# Allegro board RK_EVB1_RK3576_LP4XD200P132SD6_V12_20240530YWQ.brd (continued)
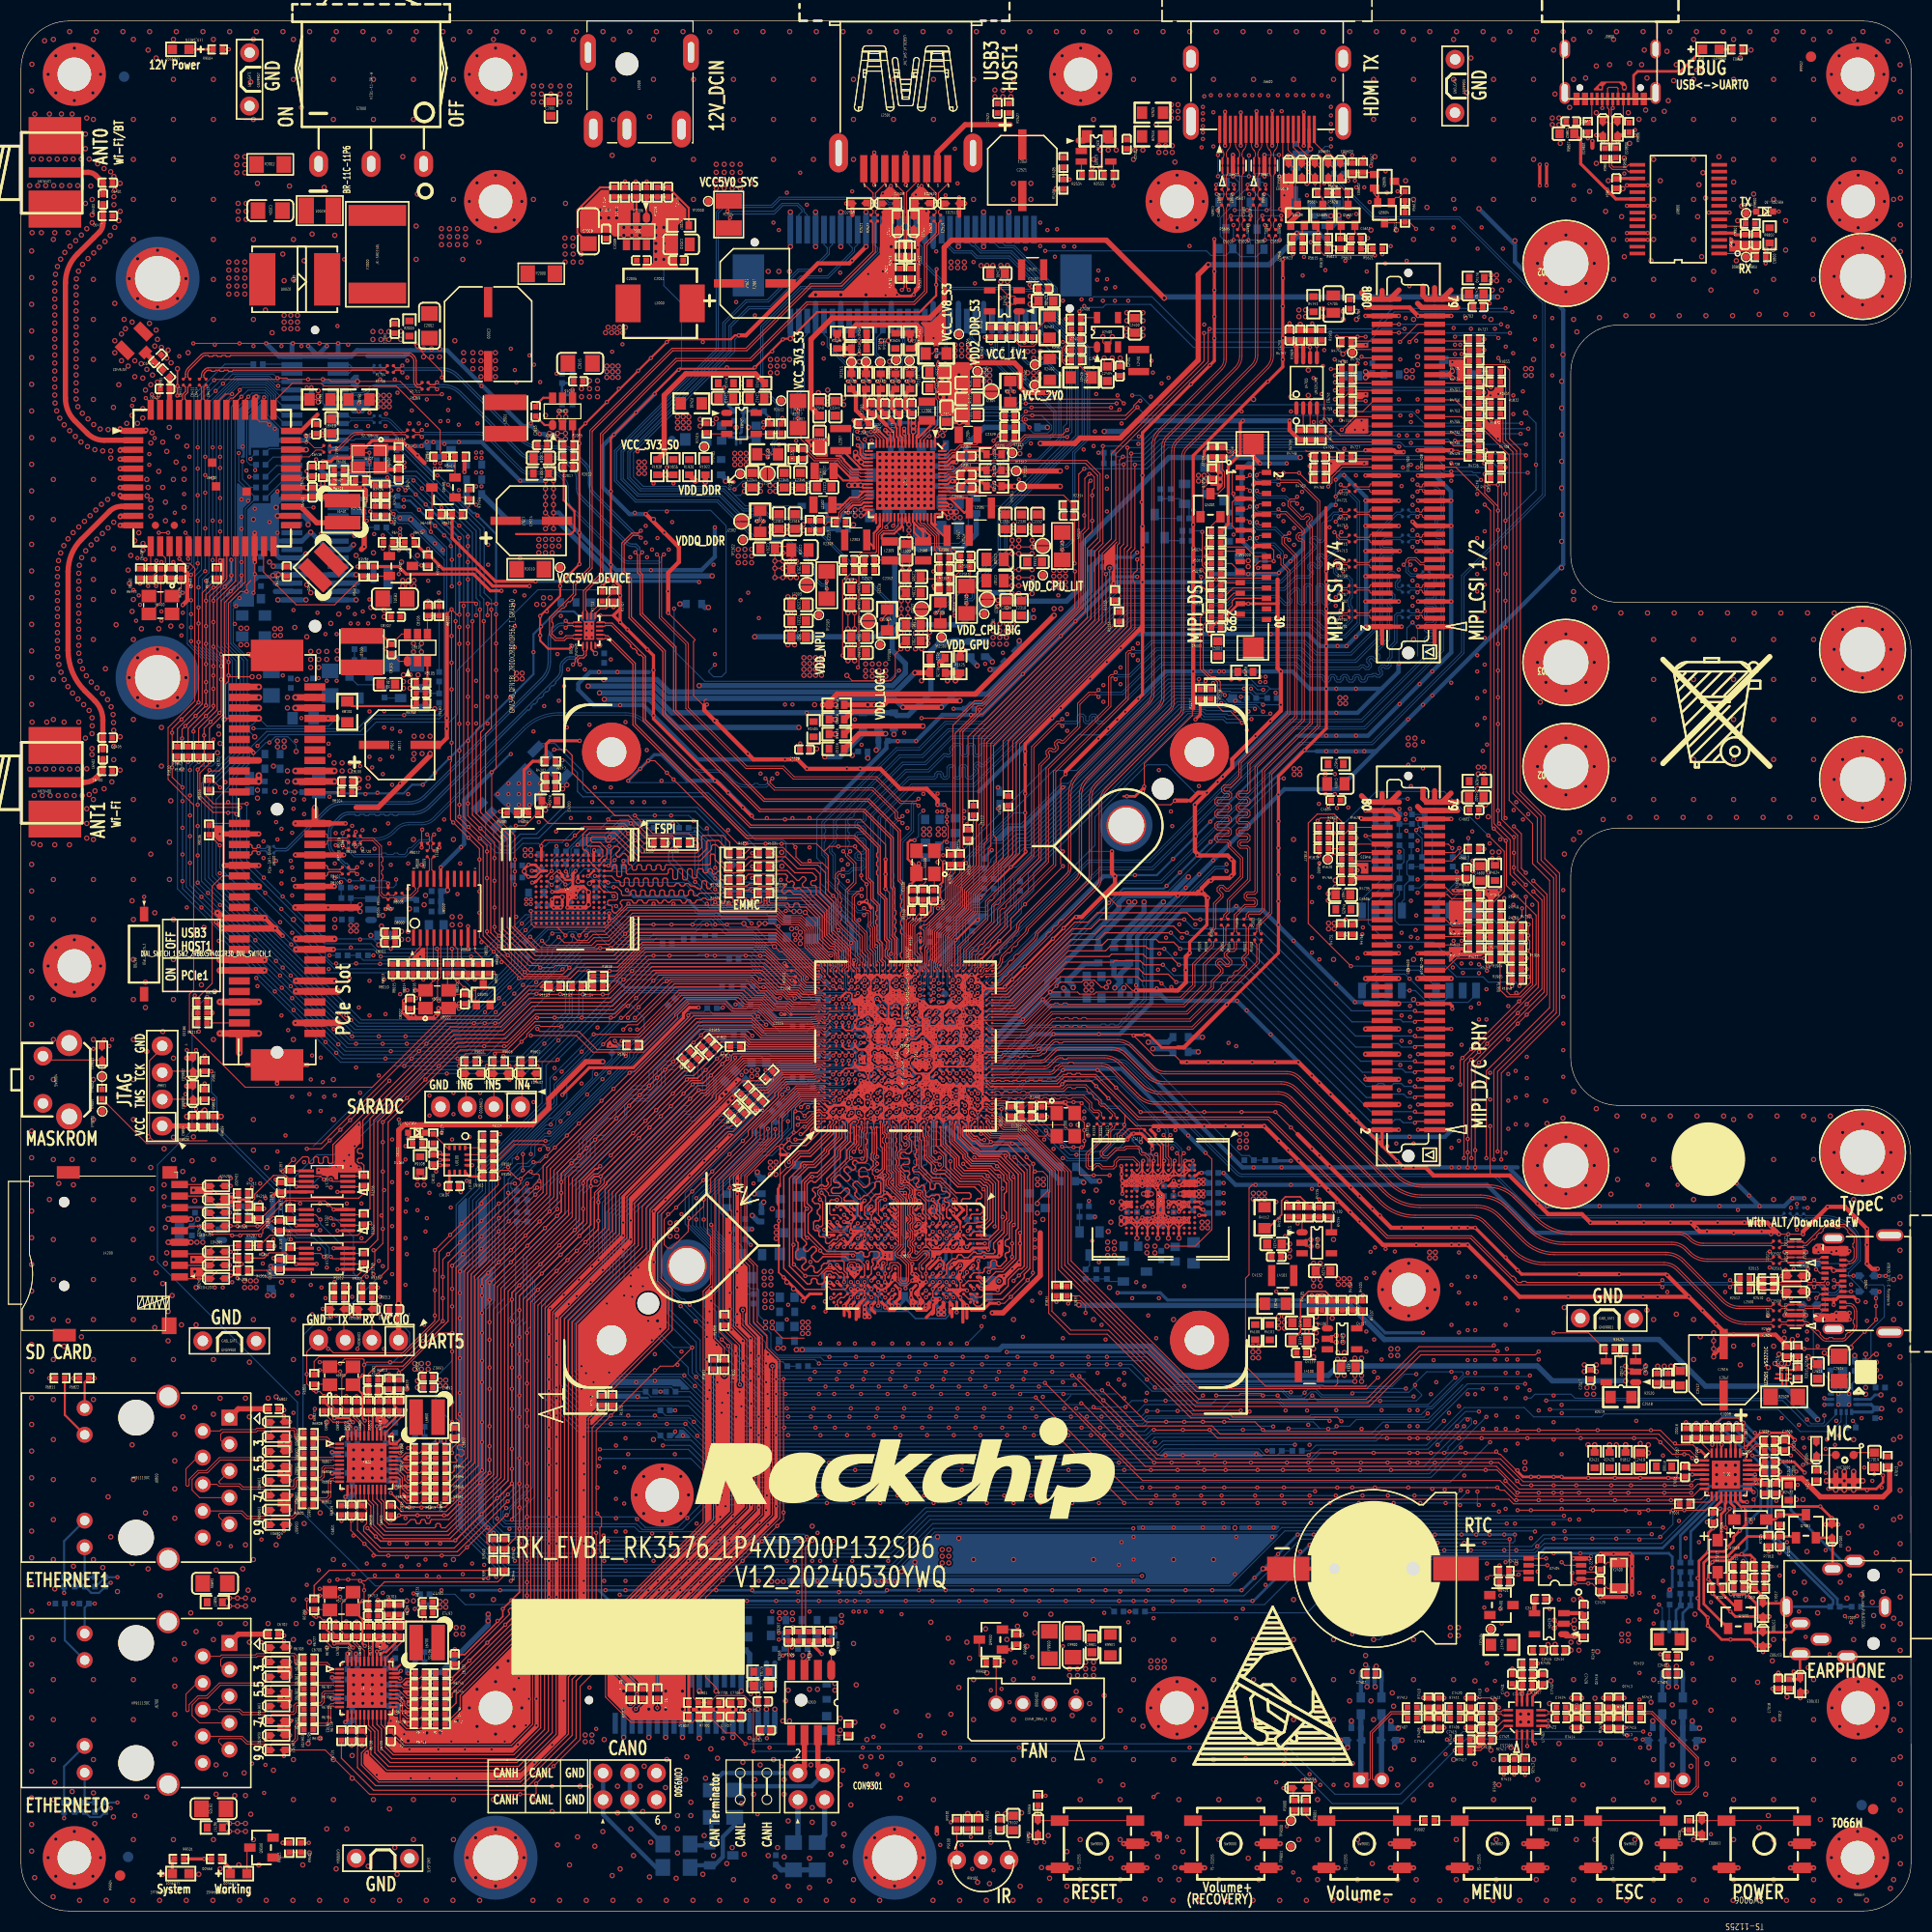
[diagram p0: board, top side]
## Routing (per net, layer and track width the routed paths; a pad name or vN(x,y) marks a point on that pad's centre or on a via; arc(x,y) is an arc through that point) (continued)
PCIE1_TXN: length 40
  TOP w0.117: U1700.11 52.63,122.34 52.54,122.43 52.1,122.43 v1(51.88,122.21)
  BOTTOM w0.117: C8108.1 24.26,100.97 25.2,100.97 arc(25.33,100.99) 25.44,101.07 29.19,104.81 arc(29.86,105.26) 30.65,105.42 36.92,105.42 arc(37.8,105.59) 38.55,106.09 49.72,117.27 arc(50.25,118.05) 50.43,118.97 50.43,121.18 arc(50.51,121.57) 50.73,121.9 51.1,122.28 arc(51.27,122.39) 51.48,122.43 51.66,122.43 v1(51.88,122.21)
PCIE1_TXN/USB3_HOST1_SSTXN: length 51.1
  TOP w0.117: U1700.4 55.57,122.34 55.65,122.43 56.22,122.43 58.06,120.59 58.06,120.42 58.28,120.21 58.44,120.21 58.66,119.99 58.66,119.83 58.87,119.61 59.04,119.61 59.25,119.4 59.25,113.37 69.43,103.2 79.69,103.2 81.61,101.28 81.61,100.83 81.49,100.72 81.49,100.41 81.61,100.29 81.61,99.99 81.49,99.87 81.49,99.57 81.61,99.45 81.61,99.15 81.49,99.03 81.49,98.72 81.61,98.61 81.61,96.94 82.24,96.31 82.24,92.5 82.45,92.29 82.45,91.68 82.29,91.53 82.29,90.92 82.64,90.57 82.64,90.12 U1000.N29
PCIE1_TXP: length 40
  TOP w0.117: v1(51.88,122.87) 52.1,122.66 52.54,122.66 52.63,122.74 U1700.10
  BOTTOM w0.117: v1(51.88,122.87) 51.66,122.66 51.48,122.66 arc(51.19,122.6) 50.95,122.44 50.57,122.06 arc(50.3,121.66) 50.21,121.18 50.21,118.97 arc(50.04,118.13) 49.57,117.42 38.39,106.25 arc(37.71,105.8) 36.92,105.64 30.65,105.64 arc(29.77,105.47) 29.03,104.97 25.29,101.22 arc(25.25,101.2) 25.2,101.19 24.26,101.19 C8107.1
PCIE1_TXP/USB3_HOST1_SSTXP: length 51.6
  TOP w0.102: 82.87,90.66 82.87,89.79 U1000.N28
  TOP w0.117: U1700.5 55.57,122.74 55.65,122.66 56.31,122.66 59.48,119.49 59.48,113.46 69.52,103.42 79.78,103.42 81.83,101.37 81.83,97.03 82.46,96.4 82.46,92.59 82.67,92.38 82.67,91.59 82.52,91.44 82.52,91.01 82.87,90.66
PCIE1_WAKEN_M0: length 143.9
  TOP w0.102: v1(18.96,107.01) 18.27,107.7 R8103.1
  L4-SIG w0.102: v1(18.96,107.01) 18.96,103.96 20.36,102.56 20.36,81.1 56.25,45.2 56.25,29.42 v1(55.64,28.8)
  BOTTOM w0.102: v1(55.64,28.8) 55.74,28.9 103.73,28.9 R1142.2
PCIE_CLKIC_0_REFCLKN: length 8.6
  TOP w0.089: R8007.2 35.51,96.5 35.15,96.5 R8005.2 34.78,96.51 34.48,96.51 34.11,96.88 34.11,101.32 33.47,101.97 32.51,101.97 R1720.2
PCIE_CLKIC_0_REFCLKP: length 8.9
  TOP w0.089: R1719.2 32.51,102.19 33.56,102.19 34.33,101.42 34.33,100.43 34.47,100.29 34.47,100.01 34.33,99.88 34.33,99.6 34.47,99.46 34.47,99.18 34.33,99.05 34.33,98.77 34.47,98.64 34.47,98.36 34.33,98.22 34.33,96.97 34.57,96.73 34.79,96.73 R8004.2 35.15,96.73 35.51,96.73 R8006.2
PCIE_CLKIC_1_REFCLKN: length 13.8
  TOP w0.089: v1(39.34,102.52) 39.12,102.31 39.12,101.84 R8011.1 39.11,101.49 39.11,101.18 39.32,100.97 R8009.2 ; v1(30.63,101.5) 30.92,101.21 31.2,101.21 R8120.1
  BOTTOM w0.089: v1(39.34,102.52) 39.12,102.31 39.12,102.09 38.83,101.8 38.01,101.8 36.62,100.4 31.73,100.4 31.06,101.07 31.06,101.85 30.94,101.97 30.72,101.97 30.63,101.88 v1(30.63,101.5)
PCIE_CLKIC_1_REFCLKP: length 13.8
  TOP w0.089: R8119.1 30.92,102.95 v1(30.63,102.66) ; R8008.2 38.89,101.18 38.89,101.49 R8012.1 38.9,101.86 38.9,102.31 v1(38.68,102.52)
  BOTTOM w0.089: v1(30.63,102.66) 30.63,102.28 30.72,102.19 31.03,102.19 31.28,101.94 31.28,101.16 31.82,100.62 34.31,100.62 34.44,100.76 34.72,100.76 34.86,100.62 35.45,100.62 35.59,100.76 35.87,100.76 36,100.62 36.52,100.62 36.77,100.87 36.77,101.06 36.97,101.26 37.16,101.26 37.92,102.02 38.74,102.02 38.9,102.18 38.9,102.31 v1(38.68,102.52)
PCIE_COMBOPHY_AVDD0V85: length 35.6
  TOP w0.229: U1000.2F11 83.34,85.54 v2(83.27,85.54) 83.19,85.54 U1000.2E11
  TOP w0.508: v2(81.28,114.88) v2(80.65,114.88) R1700.1
  L4-SIG w0.229: 82.54,89.33 82.54,86.23 83.23,85.54 v2(83.27,85.54)
  L4-SIG w0.508: 82.54,89.33 82,89.86 82,90.44 80.89,91.55 80.89,92.27 80.94,92.32 80.94,93.54 81.19,93.8 81.19,99.39 80.94,99.64 80.94,100.91 80.65,101.2 v2(80.65,109.8) v2(80.65,114.88)
  BOTTOM w0.305: v2(83.27,85.54) 82.82,85.54 C1700.1
  BOTTOM w0.508: v2(80.65,109.8) 80.63,109.82 C1702.1
PCIE_COMBOPHY_AVDD1V8: length 30.4
  TOP w0.229: U1000.2F12 83.35,86.18 v1(83.32,86.18) 83.18,86.18 U1000.2E12
  L4-SIG w0.203: v2(81.45,110.56) 81.45,101.89 82.79,100.54 82.79,92 83.41,91.38 83.41,89.56 82.95,89.1 82.95,86.48 83.24,86.19 83.3,86.19 v1(83.32,86.18)
  BOTTOM w0.305: 82.95,86.55 v1(83.32,86.18) 83.58,86.44 C1701.1 83.53,86.63 C1703.1 82.95,86.55
  BOTTOM w0.508: R1701.1 C1704.1 81.66,110.78 v2(81.45,110.56)
PCIE_CON_REFCLKN: length 3.6
  BOTTOM w0.089: R6502.2 33.43,141.96 31.44,141.96 31.15,141.67 30.21,141.67 CON6500.44
PCIE_CON_REFCLKP: length 3.6
  BOTTOM w0.089: CON6500.46 30.21,142.47 31.12,142.47 31.41,142.18 33.43,142.18 R6501.2
PCIE_CON_TXN: length 3.6
  BOTTOM w0.117: CON6500.56 31.25,146.47 31.54,146.76 33.43,146.76 C6501.2
PCIE_CON_TXP: length 3.6
  BOTTOM w0.117: C6500.2 33.43,146.98 31.56,146.98 31.27,147.27 30.21,147.27 CON6500.58
PCIE_SLOT_CLKREQN_3V3_C: length 2.9
  TOP w0.102: R8106.2 18.09,103.58 U8100.B12
PCIE_SLOT_PERSTN_3V3_C: length 2.6
  TOP w0.102: U8100.A11 30.62,106.58 R8104.1
PCIE_SLOT_PRSNT_L_3V3_C: length 16.6
  TOP w0.102: R8111.1 R8110.2 R8108.2 16.82,86.96 18.2,88.34 18.2,97.6 19.18,98.58 U8100.B17
PCIE_SLOT_REFCLKN: length 3.6
  TOP w0.089: R8120.2 R8116.2 31,101.97 30.66,101.97 30.01,101.97 30.01,101.97 29.25,101.97 29.16,101.88 29.16,101.67 29.07,101.58 U8100.A14
PCIE_SLOT_REFCLKP: length 3.6
  TOP w0.089: R8119.2 31,102.19 30.66,102.19 29.92,102.19 29.25,102.19 29.16,102.28 29.16,102.49 29.07,102.58 U8100.A13
PCIE_SLOT_RXDN: length 3
  TOP w0.117: U8100.A17 29.09,98.58 29.2,98.69 29.2,98.85 29.32,98.97 30.24,98.97 30.41,98.97 R8109.1
PCIE_SLOT_RXDP: length 3
  TOP w0.117: R8107.1 30.41,99.19 30.34,99.19 29.32,99.19 29.2,99.31 29.2,99.46 29.09,99.58 U8100.A16
PCIE_SLOT_TXDN: length 3.2
  TOP w0.117: U8100.B15 21.89,100.58 22,100.69 22,100.85 22.12,100.97 22.41,100.97 v1(22.63,100.75)
  BOTTOM w0.117: C8108.2 23.3,100.97 22.85,100.97 v1(22.63,100.75)
PCIE_SLOT_TXDP: length 3.2
  TOP w0.117: v1(22.63,101.41) 22.41,101.19 22.12,101.19 22,101.31 22,101.46 21.89,101.58 U8100.B14
  BOTTOM w0.117: C8107.2 23.3,101.19 22.85,101.19 v1(22.63,101.41)
PCIE_SLOT_WAKEN_3V3_C: length 3
  TOP w0.102: U8100.B11 18.14,106.58 R8103.2
PDM1_CLK0_M1: length 35.8
  TOP w0.102: R7706.2 60.6,26.74 71.56,37.7 v1(71.56,51.89)
  BOTTOM w0.102: v1(71.56,51.89) R1809.2
PDM1_CLK0_M1_LOOPBACK: length 98.7
  TOP w0.102: U7402.3 v1(143.45,15.71)
  L4-SIG w0.102: v1(143.45,15.71) 142.77,15.71 139.99,18.49 139.99,35.16 132.63,42.53 v1(132.63,49)
  BOTTOM w0.102: R1807.2 75.12,51.71 105.5,51.71 107.71,49.5 120.06,49.5 120.71,48.85 122.23,48.85 122.83,49.45 123.32,49.45 123.82,48.94 132.57,48.94 v1(132.63,49)
PDM1_CLK1_M1: length 63.3
  TOP w0.089: 75.81,77.76 75.87,77.7 76.91,77.7 U1000.1A5
  TOP w0.102: v1(58.61,27.89) 69.12,38.4 69.12,54.41 67.86,55.68 67.86,69.99 71.48,73.61 71.48,75.1 74.15,77.76 75.81,77.76
  BOTTOM w0.102: v1(58.61,27.89) 60.39,26.12 R7705.1
PDM1_SDI0_M1: length 35.2
  TOP w0.102: R7708.2 56.29,22.91 56.29,27.61 65.95,37.27 R1811.2
PDM1_SDI1_M1: length 62.3
  TOP w0.089: 75.55,77.56 75.75,77.56 75.8,77.51 76.45,77.51 U1000.B6
  TOP w0.102: 75.55,77.56 74.23,77.56 72.19,75.51 72.19,73.74 68.57,70.12 68.57,62.23 69.38,61.41 69.38,55.95 70.61,54.73 70.61,37.75 v1(58.99,26.13)
  BOTTOM w0.102: R7707.1 v1(58.99,26.13)
PDM1_SDI2_M1: length 68.7
  TOP w0.089: U1000.B7 76.37,77.97 76.1,78.24 75.83,78.24 75.76,78.17
  TOP w0.102: R7710.2 56.99,23.35 56.99,27.27 67.71,37.99 67.71,53.95 66.46,55.2 66.46,69.63 70.4,73.57 70.4,74.58 73.98,78.17 75.76,78.17
PDM1_SDI3_M1: length 37.7
  TOP w0.102: v1(68.75,57.22) 68.75,55.79 69.9,54.63 69.9,38.19 v1(57.97,26.26)
  BOTTOM w0.102: v1(57.97,26.26) R7709.1 ; v1(68.75,57.22) R1805.2
PDM1_SDI3_M1_LOOPBACK: length 109.3
  TOP w0.102: R7413.1 v1(143.23,12.96)
  L4-SIG w0.102: v1(143.23,12.96) 138.98,17.22 138.98,34.87 131.9,41.95 v1(131.9,49.76)
  BOTTOM w0.102: R1804.2 69.76,55.95 71.11,54.61 71.11,53.55 71.94,52.72 76.17,52.72 76.48,52.41 107.09,52.41 109.59,49.91 123.68,49.91 123.84,49.76 v1(131.9,49.76)
PHY0_CLKOUT125: length 2.4
  TOP w0.102: R6710.2 33.1,26.17 U6700.35
PHY0_LED0/CFG_EXT: length 5.7
  TOP w0.203: U6700.32 34.3,24.43 34.51,24.65 34.78,24.65 36.03,25.9 R6718.2 36.03,26.18 35.53,26.69 35.53,27.76 R6719.1
PHY0_LED1/CFG_LDO0: length 33.3
  TOP w0.203: v1(33.9,24.71) 33.9,24.71 U6700.33
  L4-SIG w0.203: v1(7.03,29.28) 16.04,29.28 18.58,26.74 31.87,26.74 v1(33.9,24.71)
  BOTTOM w0.203: v1(7.03,29.28) R6722.2 6.06,28.88 J6700.11
PHY0_LED2/CFG_LDO1: length 45.1
  TOP w0.203: U6700.34 33.5,25.58 C6704.1 R6720.2 v1(35.05,25.64)
  L4-SIG w0.203: v1(8.55,9.79) 23.29,9.79 31.34,17.85 33.95,17.85 35.05,18.95 v1(35.05,25.64)
  BOTTOM w0.203: v1(8.55,9.79) 8.38,9.79 R6721.1 7.54,8.95 6.57,8.95 R6714.1 R6715.1
PHY0_MDI0+: length 3.2
  TOP w0.089: R6708.1 28.2,23.67 29.16,23.67 29.38,23.45 29.38,23.06 29.5,22.94 29.75,22.94 29.84,23.03 U6700.1
PHY0_MDI0-: length 3.2
  TOP w0.089: U6700.2 29.84,22.63 29.75,22.72 29.4,22.72 29.15,22.97 29.15,23.36 29.07,23.45 28.2,23.45 R6707.1
PHY0_MDI1+: length 2.7
  TOP w0.089: R6706.1 28.2,21.74 29.75,21.74 29.84,21.83 U6700.4
PHY0_MDI1-: length 2.7
  TOP w0.089: U6700.5 29.84,21.43 29.75,21.52 28.2,21.52 R6705.1
PHY0_MDI2+: length 3.6
  TOP w0.089: R6704.1 28.2,19.81 28.49,19.81 28.65,19.97 28.65,20.72 28.87,20.94 29.75,20.94 29.84,21.03 U6700.6
PHY0_MDI2-: length 3.6
  TOP w0.089: U6700.7 29.84,20.63 29.75,20.72 28.96,20.72 28.87,20.63 28.87,19.88 28.58,19.59 28.2,19.59 R6703.1
PHY0_MDI3+: length 4.3
  TOP w0.089: U6700.9 29.84,19.83 29.75,19.74 29.5,19.74 29.28,19.52 29.28,18.07 29.09,17.88 28.2,17.88 R6701.1
PHY0_MDI3-: length 4.3
  TOP w0.089: R6700.1 28.2,17.66 29.18,17.66 29.5,17.98 29.5,19.43 29.59,19.52 29.75,19.52 29.84,19.43 U6700.10
PHY0_MDI_0+: length 11.3
  TOP w0.089: J6700.2 18.96,24.26 19.08,24.38 22.32,24.38 22.45,24.51 23.11,24.51 23.2,24.51 ED6704.1 23.79,24.62 23.88,24.53 26.05,24.53 26.27,24.31 26.27,23.76 26.36,23.67 26.56,23.67 R6708.2
PHY0_MDI_0-: length 11.2
  TOP w0.089: R6707.2 26.56,23.45 26.27,23.45 26.05,23.67 26.05,24.22 25.96,24.31 23.88,24.31 23.79,24.22 ED6705.1 23.2,24.29 23.11,24.29 22.54,24.29 22.41,24.16 19.24,24.16 19.02,23.94 19.02,23.38 19.42,22.99 J6700.3
PHY0_MDI_1+: length 17.2
  TOP w0.089: R6706.2 26.56,21.74 23.88,21.74 23.79,21.83 ED6706.1 23.2,21.72 18.89,21.72 17.66,20.49 16.84,20.49 16.01,19.66 16.01,19.08 15.92,18.99 15.8,18.99 15.71,19.08 15.71,20.64 16.78,21.72 J6700.4
PHY0_MDI_1-: length 17.2
  TOP w0.089: R6705.2 26.56,21.52 23.88,21.52 23.79,21.43 ED6700.1 23.2,21.49 18.98,21.49 17.75,20.26 16.93,20.26 16.3,19.63 16.3,18.61 17,17.91 J6700.7
PHY0_MDI_2+: length 11.4
  TOP w0.089: R6704.2 26.56,19.81 26.2,19.81 25.98,19.59 25.98,19.04 25.89,18.95 23.88,18.95 23.79,19.04 ED6701.1 23.2,18.92 21.13,18.92 20.83,19.22 18.98,19.22 18.86,19.33 18.86,19.46 J6700.5
PHY0_MDI_2-: length 11.5
  TOP w0.089: J6700.6 18.65,19.18 18.84,18.99 20.74,18.99 21.04,18.7 23.2,18.7 ED6702.1 23.79,18.63 23.88,18.72 25.98,18.72 26.2,18.94 26.2,19.5 26.29,19.59 26.56,19.59 R6703.2
PHY0_MDI_3+: length 12.2
  TOP w0.089: R6701.2 26.56,17.88 26.36,17.88 26.11,17.63 26.11,16.42 25.84,16.15 23.88,16.15 23.79,16.24 ED6703.1 23.2,16.13 21.58,16.13 21.07,16.64 J6700.8
PHY0_MDI_3-: length 12.3
  TOP w0.089: R6700.2 26.56,17.66 26.45,17.66 26.33,17.54 26.33,16.33 25.93,15.93 23.88,15.93 23.79,15.84 ED6707.1 23.2,15.9 21.48,15.9 20.97,16.41 18.93,16.41 18.84,16.32 18.84,16.07 19.54,15.37 J6700.9
PHY0_REG_OUT: length 3.2
  TOP w0.203: U6700.30 35.25,23.03 35.09,23.19 35.09,23.82 35.35,24.07 ; U6700.30 35.7,23.03 36.11,23.44 ; U6700.30 35.45,23.95
PHY0_RSTN: length 2.5
  TOP w0.114: R6739.2 C6721.1 U6700.12
PHY0_RXCLK/PHYAD1: length 4.4
  TOP w0.114: R6744.1 R6735.2 37.96,22.15 36.63,22.15 36.27,21.79 35.49,21.79 U6700.27
PHY0_RXD0/RXDLY: length 5.1
  TOP w0.114: R6740.1 v1(38.95,20.7) R6725.2 38.01,20.26 36.74,20.26 35.98,21.03 U6700.25
  BOTTOM w0.114: R6725.2 v1(38.95,20.7)
PHY0_RXD1/TXDLY: length 5.5
  TOP w0.114: R6741.1 v1(38.95,19.73) R6728.2 38.01,19.3 36.82,19.3 36.54,19.58 36.54,19.96 35.87,20.63 U6700.24
  BOTTOM w0.114: R6728.2 v1(38.95,19.73)
PHY0_RXD2/PLLOFF: length 6.1
  TOP w0.114: U6700.23 35.89,20.23 36.32,19.8 36.32,18.78 36.77,18.33 38.01,18.33 R6723.2 v1(38.95,18.77) R6742.1
  BOTTOM w0.114: R6723.2 v1(38.95,18.77)
PHY0_RXD3/PHYAD0: length 6.7
  TOP w0.114: R6743.1 v1(38.95,17.8) R6732.2 38.01,17.37 36.72,17.37 36.11,17.98 36.11,19.63 35.91,19.83 U6700.22
  BOTTOM w0.114: R6732.2 v1(38.95,17.8)
PHY0_RXDV/PHYAD2: length 4.3
  TOP w0.114: R6745.1 R6736.2 38.01,21.23 36.41,21.23 36.21,21.43 U6700.26
PHY0_XTALIN: length 8.5
  TOP w0.102: U6700.36 32.7,24.8 31.96,25.53 C6701.1 30.99,26.16 R6702.1 30.55,26.6 30.55,29.3 Y6700.3
PHY0_XTALOUT: length 8.2
  TOP w0.102: R6709.2 29.38,28.71 Y6700.1 29.5,28.58 29.5,26.78 29.99,26.29 C6700.1 30.43,25.73 31.48,25.73 32.3,24.91 U6700.37
PHY1_CLKOUT125: length 2.4
  TOP w0.102: R6810.2 33.1,47.63 U6800.35
PHY1_LED0/CFG_EXT: length 5.7
  TOP w0.203: U6800.32 34.3,45.9 34.51,46.12 34.78,46.12 36.03,47.37 R6818.2 36.03,47.65 35.53,48.15 35.53,49.22 R6819.1
PHY1_LED1/CFG_LDO0: length 33.3
  TOP w0.203: v1(7.03,50.74) R6822.2 6.06,50.35 J6800.11 ; U6800.33 33.9,46.17 v1(33.9,46.17)
  L4-SIG w0.203: v1(7.03,50.74) 15.15,50.74 17.57,48.33 31.74,48.33 v1(33.9,46.17)
PHY1_LED2/CFG_LDO1: length 45.2
  TOP w0.203: v1(35.05,47.11) R6820.2 C6804.1 33.5,47.05 U6800.34
  L4-SIG w0.203: v1(8.55,31.26) 23.29,31.26 31.34,39.31 33.95,39.31 35.05,40.41 v1(35.05,47.11)
  BOTTOM w0.203: R6815.1 R6814.1 6.69,30.3 7.42,30.3 R6821.1 8.38,31.26 v1(8.55,31.26)
PHY1_MDI0+: length 3.2
  TOP w0.089: R6808.1 28.2,45.13 29.16,45.13 29.38,44.91 29.38,44.52 29.5,44.4 29.75,44.4 29.84,44.49 U6800.1
PHY1_MDI0-: length 3.2
  TOP w0.089: R6807.1 28.2,44.91 29.07,44.91 29.15,44.82 29.15,44.43 29.4,44.18 29.75,44.18 29.84,44.09 U6800.2
PHY1_MDI1+: length 2.7
  TOP w0.089: R6806.1 28.2,43.2 29.75,43.2 29.84,43.29 U6800.4
PHY1_MDI1-: length 2.7
  TOP w0.089: R6805.1 28.2,42.98 29.75,42.98 29.84,42.89 U6800.5
PHY1_MDI2+: length 3.6
  TOP w0.089: R6804.1 28.2,41.27 28.49,41.27 28.65,41.43 28.65,42.18 28.87,42.4 29.75,42.4 29.84,42.49 U6800.6
PHY1_MDI2-: length 3.6
  TOP w0.089: R6802.1 28.2,41.05 28.58,41.05 28.87,41.34 28.87,42.09 28.96,42.18 29.75,42.18 29.84,42.09 U6800.7
PHY1_MDI3+: length 4.3
  TOP w0.089: U6800.9 29.84,41.29 29.75,41.2 29.5,41.2 29.28,40.98 29.28,39.53 29.09,39.34 28.2,39.34 R6803.1
PHY1_MDI3-: length 4.3
  TOP w0.089: U6800.10 29.84,40.89 29.75,40.98 29.59,40.98 29.5,40.89 29.5,39.44 29.18,39.12 28.2,39.12 R6800.1
PHY1_MDI_0+: length 11.3
  TOP w0.089: R6808.2 26.56,45.13 26.36,45.13 26.27,45.22 26.27,45.78 26.05,46 23.88,46 23.79,46.09 ED6800.1 23.2,45.97 23.11,45.97 22.45,45.97 22.32,45.85 19.08,45.85 18.96,45.72 J6800.2
PHY1_MDI_0-: length 11.2
  TOP w0.089: J6800.3 19.42,44.45 19.02,44.84 19.02,45.41 19.24,45.62 22.41,45.62 22.54,45.75 23.11,45.75 23.2,45.75 ED6801.1 23.79,45.69 23.88,45.77 25.96,45.77 26.05,45.69 26.05,45.13 26.27,44.91 26.56,44.91 R6807.2
PHY1_MDI_1+: length 17.2
  TOP w0.089: R6806.2 26.56,43.2 23.88,43.2 23.79,43.29 ED6802.1 23.2,43.18 18.89,43.18 17.66,41.95 16.84,41.95 16.01,41.12 16.01,40.55 15.92,40.46 15.8,40.46 15.71,40.55 15.71,42.11 16.78,43.18 J6800.4
PHY1_MDI_1-: length 17.2
  TOP w0.089: R6805.2 26.56,42.98 23.88,42.98 23.79,42.89 ED6803.1 23.2,42.95 18.98,42.95 17.75,41.73 16.93,41.73 16.3,41.09 16.3,40.08 17,39.37 J6800.7
PHY1_MDI_2+: length 11.4
  TOP w0.089: R6804.2 26.56,41.27 26.2,41.27 25.98,41.05 25.98,40.5 25.89,40.41 23.88,40.41 23.79,40.5 ED6804.1 23.2,40.38 21.13,40.38 20.83,40.68 18.98,40.68 18.86,40.8 18.86,40.92 J6800.5
PHY1_MDI_2-: length 11.5
  TOP w0.089: J6800.6 18.65,40.64 18.84,40.46 20.74,40.46 21.04,40.16 23.2,40.16 ED6806.1 23.79,40.1 23.88,40.19 25.98,40.19 26.2,40.41 26.2,40.96 26.29,41.05 26.56,41.05 R6802.2
PHY1_MDI_3+: length 12.2
  TOP w0.089: J6800.8 21.07,38.1 21.58,37.59 23.2,37.59 ED6807.1 23.79,37.7 23.88,37.62 25.84,37.62 26.11,37.88 26.11,39.09 26.36,39.34 26.56,39.34 R6803.2
PHY1_MDI_3-: length 12.3
  TOP w0.089: R6800.2 26.56,39.12 26.45,39.12 26.33,39 26.33,37.79 25.93,37.39 23.88,37.39 23.79,37.3 ED6805.1 23.2,37.37 21.48,37.37 20.97,37.88 18.93,37.88 18.84,37.79 18.84,37.54 19.54,36.83 J6800.9
PHY1_REG_OUT: length 3.2
  TOP w0.203: 35.35,45.54 35.09,45.28 35.09,44.65 35.25,44.49 U6800.30 ; 35.45,45.41 U6800.30 ; U6800.30 35.7,44.49 36.11,44.9
PHY1_RSTN: length 2.5
  TOP w0.114: U6800.12 C6821.1 R6839.2
PHY1_RXCLK/PHYAD1: length 4.4
  TOP w0.114: U6800.27 35.69,43.29 35.73,43.25 36.27,43.25 36.63,43.62 37.96,43.62 R6835.2 R6844.1
PHY1_RXD0/RXDLY: length 5.1
  TOP w0.114: R6840.1 v1(38.95,42.16) R6825.2 38.01,41.73 36.74,41.73 35.98,42.49 U6800.25
  BOTTOM w0.114: R6825.2 v1(38.95,42.16)
PHY1_RXD1/TXDLY: length 5.5
  TOP w0.114: U6800.24 35.87,42.09 36.54,41.43 36.54,41.05 36.82,40.76 38.01,40.76 R6828.2 v1(38.95,41.2) R6841.1
  BOTTOM w0.114: R6828.2 v1(38.95,41.2)
PHY1_RXD2/PLLOFF: length 6.1
  TOP w0.114: U6800.23 35.89,41.69 36.32,41.26 36.32,40.24 36.77,39.8 38.01,39.8 R6823.2 v1(38.95,40.23) R6842.1
  BOTTOM w0.114: R6823.2 v1(38.95,40.23)
PHY1_RXD3/PHYAD0: length 6.7
  TOP w0.114: U6800.22 35.91,41.29 36.11,41.09 36.11,39.44 36.72,38.83 38.01,38.83 R6832.2 v1(38.95,39.27) R6843.1
  BOTTOM w0.114: R6832.2 v1(38.95,39.27)
PHY1_RXDV/PHYAD2: length 4.3
  TOP w0.114: R6845.1 R6836.2 38.01,42.69 36.41,42.69 36.21,42.89 U6800.26
PHY1_XTALIN: length 8.5
  TOP w0.102: Y6800.3 30.55,50.76 30.55,48.06 R6801.1 30.99,47.62 C6801.1 31.96,46.99 32.7,46.26 U6800.36
PHY1_XTALOUT: length 8.2
  TOP w0.102: R6809.2 29.38,50.17 Y6800.1 29.5,50.04 29.5,48.25 29.99,47.76 C6800.1 30.43,47.19 31.48,47.19 32.3,46.37 U6800.37
PLL_AVDD1V8: length 28.4
  TOP w0.229: v1(85.13,86.26) 85.13,86.18 U1000.2H12
  L4-SIG w0.102: 84.73,90.08 84.73,89.71
  L4-SIG w0.203: 84.73,89.71 84.73,86.7 85.13,86.3 v1(85.13,86.26) ; 84.65,91.87 84.62,91.84 84.62,90.19 84.73,90.08
  L4-SIG w0.508: 84.65,91.87 83.98,92.54 83.98,101.93 82.95,102.97 82.95,111.87 v2(83.13,112.05)
  BOTTOM w0.305: C1105.1 85.15,86.83 85.15,86.27 v1(85.13,86.26)
  BOTTOM w0.508: v2(83.13,112.05) R1136.2
PLL_DVDD0V75: length 33.1
  TOP w0.229: U1000.2G11 v1(84.57,85.62)
  TOP w0.508: v2(82.34,112.12) 79.84,112.12 R1132.2
  L4-SIG w0.203: 84.02,89.77 84.43,89.37 84.43,86.74 84.11,86.43 84.11,86.07 v1(84.57,85.62)
  L4-SIG w0.508: v2(82.34,112.12) 82.34,102.56 83.37,101.52 83.37,92.28 84.02,91.64 84.02,89.77
  BOTTOM w0.305: v1(84.57,85.62) 84.3,85.62 C1104.1
PMIC_EXT_EN_OUT: length 37
  TOP w0.102: v1(82.41,131.79) 82.4,131.79 82.4,131.94 82.84,132.38 U2300.39 ; R2406.1 v1(96.31,149.38) ; R2405.1 v1(99.52,147.7)
  BOTTOM w0.102: v1(82.41,131.79) 82.68,131.52 83.23,131.52 84.5,130.25 89.32,130.25 90.21,131.14 90.21,133.55 90.46,133.8 93.31,133.8 99.28,139.77 99.28,141.35 99.61,141.68 99.61,147.61 v1(99.52,147.7) 98.92,147.7 97.23,149.38 v1(96.31,149.38)
PMIC_FB5: length 9.1
  TOP w0.102: U2300.47 85.64,132.25 85.74,132.15 86.03,132.15 87.21,130.97 87.21,129.93 87.61,129.54 88.55,129.54 88.81,129.27 88.81,127.3 R2302.2 R2305.1
PMIC_FB6: length 7.1
  TOP w0.102: R2308.2 C2317.2 76.84,132.26 R2310.1 78.09,132.72 78.09,133.1 79.14,134.15 79.89,134.15 80.13,134.4 80.24,134.4 80.33,134.49 U2300.31
PMIC_FB9: length 9.7
  TOP w0.102: U2300.66 88.13,138.34 88.68,138.89 88.99,138.89 89.52,139.43 92.52,139.43 92.99,139.9 94.1,139.9 R2315.1 R2313.2 C2329.2
PMIC_INT_L: length 96.2
  TOP w0.102: U2300.19 80.38,138.69 80.19,138.88 80.19,139.75 v1(79.7,140.24) ; v1(95.69,143.58) v1(104.34,143.58)
  L4-SIG w0.102: v1(113.54,116.95) 112.64,117.85 112.64,122.9 109.86,125.67 109.86,132.61 108.07,134.4 108.07,140.04 104.53,143.58 v1(104.34,143.58)
  BOTTOM w0.102: v1(79.7,140.24) 79.28,140.66 79.28,141.06 81.27,143.04 94.75,143.04 95.29,143.58 v1(95.69,143.58) ; v1(113.54,116.95) 113.24,116.66 109.43,116.66 95.71,102.94 94.66,102.94 93.41,101.7 92.47,101.7 91.27,100.5 91.27,97.8 88.33,94.85 R1116.2
PMIC_PWR_CTRL1: length 52.7
  TOP w0.102: R1112.2 90.7,111.88 101.89,123.07 101.89,129.61 102.77,130.49 102.77,136.86 101.5,138.14 89.91,138.14 88.81,137.04 88.21,137.04 88.12,136.94 U2300.62
PMIC_PWR_CTRL2: length 167.5
  TOP w0.102: R1114.2 90.19,103.39 v1(90.08,103.49) 90.19,103.6 90.19,111.83 101.55,123.2 101.55,129.77 102.53,130.75 102.53,136.72 101.37,137.88 89.94,137.88 88.9,136.83 88.35,136.83 88.11,136.59 U2300.61
  L4-SIG w0.102: v1(83.62,118.14) 86.4,115.35 86.4,108.78 90.21,104.97 90.21,103.62 v1(90.08,103.49) ; v1(67.23,66.38) 66.33,67.28 66.33,68.91 54.7,80.54 54.7,81.53 55.03,81.86 57.95,81.86 59.87,83.78 59.87,106.01 62.2,108.34 v1(62.2,124.03)
  BOTTOM w0.102: v1(62.2,124.03) 62.2,120.03 65.12,117.11 82.59,117.11 v1(83.62,118.14) ; v1(67.23,66.38) Q3801.1
PMIC_SW1: length 5.3
  TOP w0.203: U2300.51 87.04,132.15 87.16,132.02 ; U2300.51 87.47,132.74 87.47,133.06 87.47,133.06 87.19,133.06 87.04,132.92 U2300.51 ; 86.69,132.25 86.69,132.14 87.83,131 L2301.1 ; 86.69,132.25 87.04,131.9 ; 86.69,132.25 U2300.50
PMIC_SW2: length 6.2
  TOP w0.203: L2303.1 81.19,129.93 81.19,129.74 81.22,129.76 81.22,131.23 81.57,131.59 81.57,131.64 81.79,131.86 81.79,132.01 ; 81.79,132.01 81.55,131.77 ; 81.79,132.01 U2300.36 ; 81.1,132.41 U2300.35 ; U2300.35 81.44,132.17 ; U2300.35 81.27,132.91 81.04,132.91
PMIC_SW3: length 6.6
  TOP w0.203: 88.5,134.49 88.5,134.59 89.72,134.59 ; 88.5,134.49 U2300.55 ; 88.5,134.49 89.83,133.17 89.86,133.17 L2305.1 90.32,134.38 90.11,134.59 89.72,134.59 ; 88.5,134.49 88.98,134.49 ; 89.7,134.56 89.72,134.59
PMIC_SW4: length 6.4
  TOP w0.203: L2307.1 78.27,139.08 79.96,137.39 79.96,137.29 ; 79.96,137.29 79.23,137.29 78.41,138.11 78.41,138.2 78.01,138.59 77.64,138.59 ; 79.96,137.29 U2300.23
PMIC_SW5: length 7
  TOP w0.203: 85.05,132.2 84.94,132.31 U2300.45 ; 85.05,132.2 85.56,131.69 ; 85.05,132.2 85.05,131.31 L2300.2 ; 85.56,131.69 85.92,131.32 L2300.2 ; 85.56,131.69 85.85,131.69 86.57,130.97 86.03,130.43 L2300.2
PMIC_SW6: length 5.7
  TOP w0.203: 78.28,133.94 78.29,133.94 78.95,134.61 79.69,134.61 80.27,135.19 ; 78.28,133.94 L2302.2 77.67,133.55 77.89,133.55 78.28,133.94 ; 80.27,135.19 79.91,135.19 ; 80.27,135.19 U2300.29
PMIC_SW7: length 5.5
  TOP w0.152: 83.89,131.96 84.03,131.82 84.03,131.41 ; 83.73,131.62 83.89,131.78
  TOP w0.203: 83.61,131.62 83.17,131.18 82.18,131.18 81.98,130.98 81.98,130.7 82.35,130.33 82.63,130.33 L2309.1 ; 83.61,131.62 83.73,131.62 ; 83.61,131.62 83.89,131.9 ; 83.89,131.78 83.89,131.9 ; 83.89,131.9 U2300.42
PMIC_SW8: length 5.5
  TOP w0.203: 85.29,140.34 85.49,140.34 86.62,141.48 86.62,141.74 86.42,141.94 85.69,141.94 85.49,141.74 85.49,140.68 85.29,140.48 85.29,140.34 ; 85.29,140.34 U2300.6
PMIC_SW9: length 0.8
  TOP w0.203: 88.03,139.77 87.74,139.49 U2300.68
PMIC_SW10: length 7.5
  TOP w0.152: 79.67,136.49 79.92,136.24 79.61,136.24 79.56,136.29
  TOP w0.203: 79.92,136.24 U2300.26 ; 79.67,136.49 79.01,136.49 77.72,137.78 77.51,137.58 77.51,137.15 L2308.2 78.3,136.24 79.61,136.24
PMIC_VDC: length 5.8
  TOP w0.203: U2300.32 80.24,134.14 79.99,133.9 79.25,133.9 78.78,133.43 v1(78.78,133.17)
  BOTTOM w0.305: v1(78.78,133.17) 78.5,133.17 77.86,132.53 C2368.1 R2332.1 76.84,131.56 R2330.2
PMU_DVDD0V75: length 94
  TOP w0.203: U1000.2L2 v1(87.17,79.77)
  TOP w0.229: v1(87.19,84.97) 87.17,84.97 U1000.2L10
  TOP w0.508: R1146.1 v2(77.73,149.65)
  L4-SIG w0.089: 86.82,84.59 v1(87.19,84.97) 87.49,84.67 87.49,83.8 87.49,83.8 87.49,82.88 87.49,82.88 87.49,80.09 v1(87.17,79.77) 86.84,80.09 86.84,81.58 86.84,81.58 86.84,81.85 86.84,81.86 86.84,82.83 86.82,82.86 86.82,84.59
  L4-SIG w0.178: v1(87.19,84.97) 88.66,86.43 89.83,86.43 89.83,88.98 91.03,90.18 92.05,90.18 92.61,90.74 92.61,92.9 92.88,93.17
  L4-SIG w0.508: v2(77.73,149.65) 77.73,149.59 78.48,148.84 80.26,148.84 80.81,148.28 82.99,148.28 83.37,147.9 85.09,147.9 86.43,146.56 86.43,141.75 85.97,141.3 85.97,140.07 86.53,139.52 86.9,139.52 87.28,139.14 87.28,133.6 85.77,132.08 85.77,123.77 87.92,121.61 87.92,119.42 89.86,117.49 89.86,116.66 90.48,116.03 92.79,113.72 92.79,108.05 93.68,107.16 93.68,96.09 92.88,95.29 92.88,93.17
  BOTTOM w0.305: v1(87.19,84.97) 86.95,84.72 C1118.1 ; C1107.1 86.8,79.4 v1(87.17,79.77)
PMUIO0_VCC1V8: length 200.6
  TOP w0.229: U1000.2K11 v1(86.52,85.62)
  TOP w0.305: R1128.1 R1127.1 112.31,113.94 v1(111.85,113.48) ; R2423.1 v1(140.81,32.91)
  TOP w0.508: v2(88.99,117.17) 88.99,117.24 89.45,117.7 R1125.1 R1126.1
  L4-SIG w0.178: v1(86.52,85.62) 87.08,86.18 87.54,86.18 88.08,86.72 88.08,88.92 88.28,89.12 88.28,89.86
  L4-SIG w0.305: v1(133.52,55.06) 133.52,43 140.81,35.71 v1(140.81,32.91) ; v1(104.43,58.87) 105.7,60.14 105.7,71.32 107.74,73.35 107.74,76.15 114.34,82.76 114.34,96.08 112.82,97.61 112.82,104.97 114.98,107.13 114.98,111.32 112.82,113.48 v1(111.85,113.48) 109.51,115.82 109.51,121.73 106.3,124.95 v1(106.3,127.07)
  L4-SIG w0.508: 88.28,89.86 88.28,90.77 91.66,94.15 91.66,95.79 92.46,96.59 v1(92.46,101.04) 92.46,105.92 88.81,109.56 v1(88.81,114.5) 88.81,116.54 88.99,116.71 v2(88.99,117.17)